# KiCad board Parallel.kicad_pcb (continued)
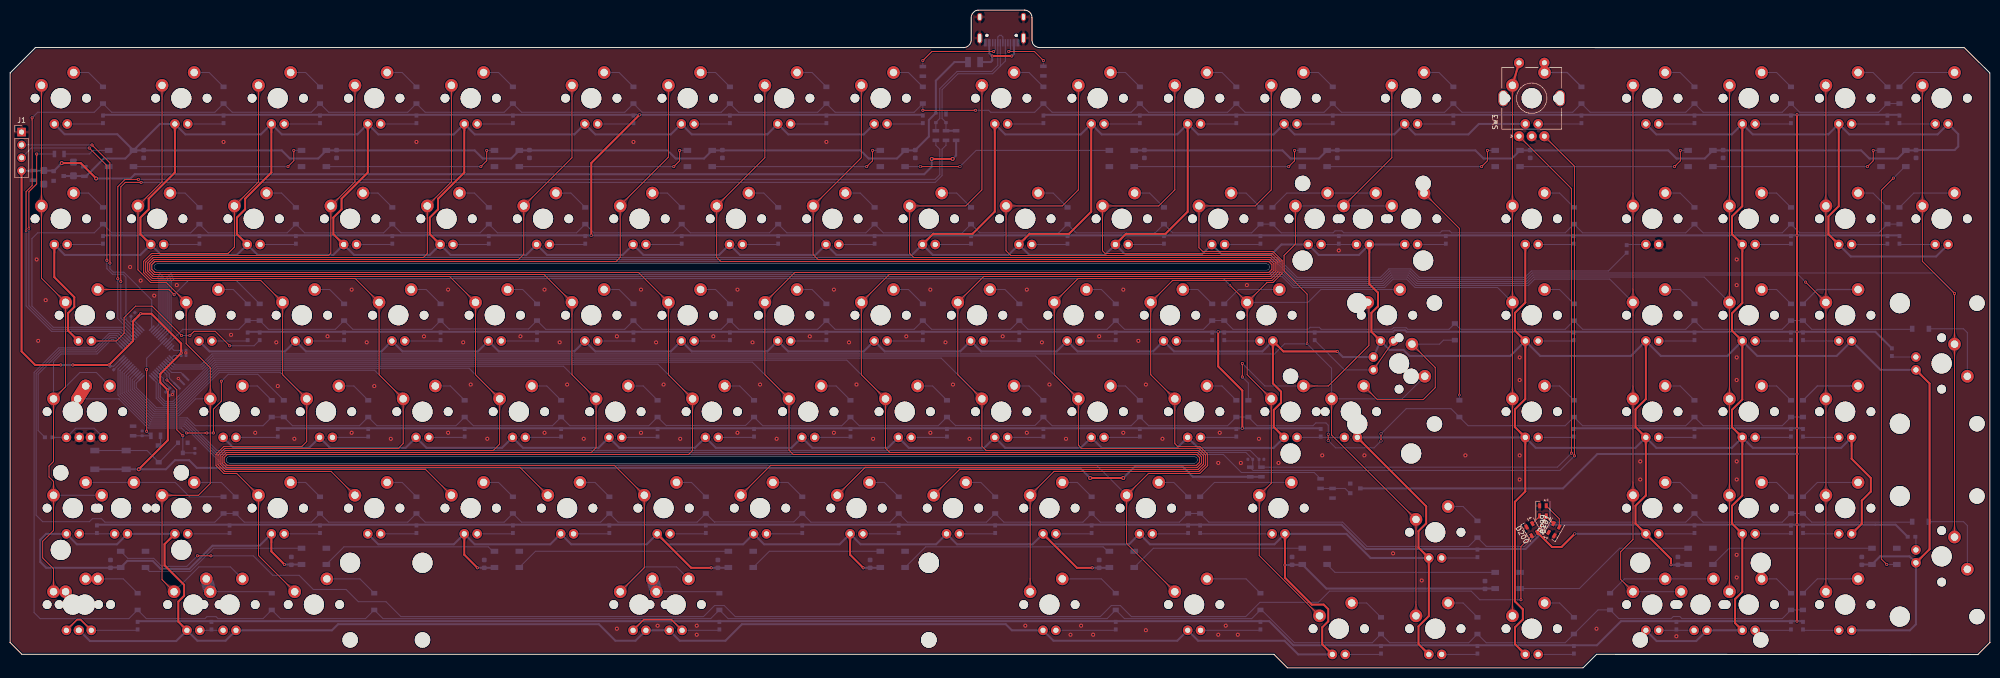
[diagram p0: board, top side]
## Copper pours and planes (outline as drawn; the poured copper is in the pictures) (continued)
Col16 on Top: 339.67,50.37 339.67,50.44 339.67,50.51 339.67,50.59 339.68,50.66 339.69,50.73 339.7,50.8 339.71,50.87 339.72,50.94 339.74,51.01 339.75,51.07 339.77,51.14 339.79,51.21 339.81,51.27 339.83,51.34 339.86,51.4 339.89,51.46 339.91,51.52 339.94,51.58 339.98,51.64 340.01,51.7 340.05,51.76 340.08,51.82 340.12,51.87 340.16,51.93 340.2,51.99 340.25,52.04 340.29,52.09 340.34,52.15 340.39,52.2 340.44,52.25 339.57,53.77 338.69,52.25 338.74,52.2 338.79,52.15 338.84,52.09 338.88,52.04 338.93,51.99 338.97,51.93 339.01,51.87 339.05,51.82 339.09,51.76 339.12,51.7 339.15,51.64 339.19,51.58 339.22,51.52 339.25,51.46 339.27,51.4 339.3,51.34 339.32,51.27 339.34,51.21 339.36,51.14 339.38,51.07 339.4,51.01 339.41,50.94 339.42,50.87 339.43,50.8 339.44,50.73 339.45,50.66 339.46,50.59 339.46,50.51 339.46,50.44 339.47,50.37
Col16 on Top: 339.47,36.87 339.46,36.79 339.46,36.72 339.46,36.65 339.45,36.57 339.44,36.5 339.43,36.43 339.42,36.36 339.41,36.29 339.4,36.23 339.38,36.16 339.36,36.09 339.34,36.03 339.32,35.96 339.3,35.9 339.27,35.84 339.25,35.77 339.22,35.71 339.19,35.65 339.15,35.59 339.12,35.53 339.09,35.47 339.05,35.42 339.01,35.36 338.97,35.3 338.93,35.25 338.88,35.19 338.84,35.14 338.79,35.09 338.74,35.04 338.69,34.98 339.57,33.47 340.44,34.98 340.39,35.04 340.34,35.09 340.29,35.14 340.25,35.19 340.2,35.25 340.16,35.3 340.12,35.36 340.08,35.42 340.05,35.47 340.01,35.53 339.98,35.59 339.94,35.65 339.91,35.71 339.89,35.77 339.86,35.84 339.83,35.9 339.81,35.96 339.79,36.03 339.77,36.09 339.75,36.16 339.74,36.23 339.72,36.29 339.71,36.36 339.7,36.43 339.69,36.5 339.68,36.57 339.67,36.65 339.67,36.72 339.67,36.79 339.67,36.87
Col16 on Top: 339.67,69.41 339.67,69.49 339.67,69.56 339.67,69.64 339.68,69.71 339.69,69.78 339.7,69.85 339.71,69.92 339.72,69.99 339.73,70.06 339.75,70.12 339.77,70.19 339.79,70.26 339.81,70.32 339.83,70.39 339.86,70.45 339.89,70.51 339.91,70.57 339.94,70.63 339.98,70.69 340.01,70.75 340.04,70.81 340.08,70.87 340.12,70.92 340.16,70.98 340.2,71.04 340.25,71.09 340.29,71.14 340.34,71.2 340.39,71.25 340.44,71.3 339.56,72.82 338.69,71.3 338.74,71.25 338.79,71.2 338.84,71.14 338.88,71.09 338.93,71.04 338.97,70.98 339.01,70.92 339.05,70.87 339.09,70.81 339.12,70.75 339.15,70.69 339.19,70.63 339.22,70.57 339.24,70.51 339.27,70.45 339.3,70.39 339.32,70.32 339.34,70.26 339.36,70.19 339.38,70.12 339.4,70.06 339.41,69.99 339.42,69.92 339.43,69.85 339.44,69.78 339.45,69.71 339.46,69.64 339.46,69.56 339.46,69.49 339.47,69.41
Col16 on Top: 339.47,55.92 339.46,55.84 339.46,55.77 339.46,55.7 339.45,55.62 339.44,55.55 339.43,55.48 339.42,55.41 339.41,55.34 339.4,55.28 339.38,55.21 339.36,55.14 339.34,55.08 339.32,55.01 339.3,54.95 339.27,54.89 339.25,54.82 339.22,54.76 339.19,54.7 339.15,54.64 339.12,54.58 339.09,54.52 339.05,54.47 339.01,54.41 338.97,54.35 338.93,54.3 338.88,54.24 338.84,54.19 338.79,54.14 338.74,54.09 338.69,54.03 339.57,52.52 340.44,54.03 340.39,54.09 340.34,54.14 340.29,54.19 340.25,54.24 340.2,54.3 340.16,54.35 340.12,54.41 340.08,54.47 340.05,54.52 340.01,54.58 339.98,54.64 339.94,54.7 339.91,54.76 339.89,54.82 339.86,54.89 339.83,54.95 339.81,55.01 339.79,55.08 339.77,55.14 339.75,55.21 339.74,55.28 339.72,55.34 339.71,55.41 339.7,55.48 339.69,55.55 339.68,55.62 339.67,55.7 339.67,55.77 339.67,55.84 339.67,55.92
Col16 on Top: 339.66,88.47 339.67,88.54 339.67,88.61 339.67,88.69 339.68,88.76 339.69,88.83 339.7,88.9 339.71,88.97 339.72,89.04 339.73,89.11 339.75,89.17 339.77,89.24 339.79,89.31 339.81,89.37 339.83,89.44 339.86,89.5 339.89,89.56 339.91,89.62 339.94,89.68 339.98,89.74 340.01,89.8 340.04,89.86 340.08,89.92 340.12,89.97 340.16,90.03 340.2,90.09 340.25,90.14 340.29,90.19 340.34,90.25 340.39,90.3 340.44,90.35 339.56,91.87 338.69,90.35 338.74,90.3 338.79,90.25 338.84,90.19 338.88,90.14 338.93,90.09 338.97,90.03 339.01,89.97 339.05,89.92 339.08,89.86 339.12,89.8 339.15,89.74 339.19,89.68 339.22,89.62 339.24,89.56 339.27,89.5 339.3,89.44 339.32,89.37 339.34,89.31 339.36,89.24 339.38,89.17 339.39,89.11 339.41,89.04 339.42,88.97 339.43,88.9 339.44,88.83 339.45,88.76 339.46,88.69 339.46,88.61 339.46,88.54 339.46,88.47
Col16 on Top: 339.46,74.97 339.46,74.89 339.46,74.82 339.46,74.75 339.45,74.67 339.44,74.6 339.43,74.53 339.42,74.46 339.41,74.39 339.39,74.33 339.38,74.26 339.36,74.19 339.34,74.13 339.32,74.06 339.3,74 339.27,73.94 339.24,73.87 339.22,73.81 339.19,73.75 339.15,73.69 339.12,73.63 339.08,73.57 339.05,73.52 339.01,73.46 338.97,73.4 338.93,73.35 338.88,73.29 338.84,73.24 338.79,73.19 338.74,73.14 338.69,73.08 339.56,71.57 340.44,73.08 340.39,73.14 340.34,73.19 340.29,73.24 340.25,73.29 340.2,73.35 340.16,73.4 340.12,73.46 340.08,73.52 340.04,73.57 340.01,73.63 339.98,73.69 339.94,73.75 339.91,73.81 339.89,73.87 339.86,73.94 339.83,74 339.81,74.06 339.79,74.13 339.77,74.19 339.75,74.26 339.73,74.33 339.72,74.39 339.71,74.46 339.7,74.53 339.69,74.6 339.68,74.67 339.67,74.75 339.67,74.82 339.67,74.89 339.66,74.97
Col16 on Top: 339.66,112.28 339.67,112.35 339.67,112.43 339.67,112.5 339.68,112.57 339.69,112.64 339.7,112.71 339.71,112.78 339.72,112.85 339.73,112.92 339.75,112.99 339.77,113.05 339.79,113.12 339.81,113.18 339.83,113.25 339.86,113.31 339.89,113.37 339.91,113.43 339.94,113.5 339.98,113.56 340.01,113.61 340.04,113.67 340.08,113.73 340.12,113.79 340.16,113.84 340.2,113.9 340.25,113.95 340.29,114.01 340.34,114.06 340.39,114.11 340.44,114.16 339.56,115.68 338.69,114.16 338.74,114.11 338.79,114.06 338.84,114.01 338.88,113.95 338.93,113.9 338.97,113.84 339.01,113.79 339.05,113.73 339.08,113.67 339.12,113.61 339.15,113.56 339.19,113.5 339.22,113.43 339.24,113.37 339.27,113.31 339.3,113.25 339.32,113.18 339.34,113.12 339.36,113.05 339.38,112.99 339.39,112.92 339.41,112.85 339.42,112.78 339.43,112.71 339.44,112.64 339.45,112.57 339.46,112.5 339.46,112.43 339.46,112.35 339.46,112.28
Col16 on Top: 339.46,94.02 339.46,93.94 339.46,93.87 339.46,93.8 339.45,93.72 339.44,93.65 339.43,93.58 339.42,93.51 339.41,93.44 339.39,93.38 339.38,93.31 339.36,93.24 339.34,93.18 339.32,93.11 339.3,93.05 339.27,92.99 339.24,92.92 339.22,92.86 339.19,92.8 339.15,92.74 339.12,92.68 339.08,92.62 339.05,92.57 339.01,92.51 338.97,92.45 338.93,92.4 338.88,92.34 338.84,92.29 338.79,92.24 338.74,92.19 338.69,92.13 339.56,90.62 340.44,92.13 340.39,92.19 340.34,92.24 340.29,92.29 340.25,92.34 340.2,92.4 340.16,92.45 340.12,92.51 340.08,92.57 340.04,92.62 340.01,92.68 339.98,92.74 339.94,92.8 339.91,92.86 339.89,92.92 339.86,92.99 339.83,93.05 339.81,93.11 339.79,93.18 339.77,93.24 339.75,93.31 339.73,93.38 339.72,93.44 339.71,93.51 339.7,93.58 339.69,93.65 339.68,93.72 339.67,93.8 339.67,93.87 339.67,93.94 339.66,94.02
Col16 on Bottom: 337.53,74.08 337.58,74.03 337.63,73.98 337.68,73.92 337.73,73.87 337.77,73.81 337.82,73.75 337.86,73.7 337.9,73.64 337.94,73.58 337.97,73.52 338.01,73.46 338.04,73.4 338.07,73.34 338.1,73.28 338.12,73.22 338.15,73.15 338.17,73.09 338.19,73.03 338.21,72.96 338.23,72.9 338.25,72.83 338.26,72.76 338.28,72.69 338.29,72.63 338.3,72.56 338.3,72.49 338.31,72.42 338.31,72.35 338.31,72.28 338.31,72.2 340.01,71.75 339.55,73.44 339.48,73.44 339.41,73.44 339.34,73.45 339.27,73.45 339.2,73.46 339.13,73.47 339.06,73.48 338.99,73.49 338.93,73.51 338.86,73.52 338.8,73.54 338.73,73.56 338.67,73.58 338.6,73.61 338.54,73.63 338.48,73.66 338.42,73.69 338.35,73.72 338.29,73.75 338.23,73.79 338.18,73.82 338.12,73.86 338.06,73.9 338,73.94 337.95,73.98 337.89,74.03 337.83,74.07 337.78,74.12 337.73,74.17 337.67,74.23
Col17 on Top: 358.52,17.82 358.51,17.74 358.51,17.67 358.51,17.6 358.5,17.52 358.49,17.45 358.48,17.38 358.47,17.31 358.46,17.24 358.45,17.18 358.43,17.11 358.41,17.04 358.39,16.98 358.37,16.91 358.35,16.85 358.32,16.79 358.3,16.72 358.27,16.66 358.24,16.6 358.2,16.54 358.17,16.48 358.14,16.42 358.1,16.37 358.06,16.31 358.02,16.25 357.98,16.2 357.93,16.14 357.89,16.09 357.84,16.04 357.79,15.99 357.74,15.93 358.62,14.42 359.49,15.93 359.44,15.99 359.39,16.04 359.34,16.09 359.3,16.14 359.25,16.2 359.21,16.25 359.17,16.31 359.13,16.37 359.1,16.42 359.06,16.48 359.03,16.54 358.99,16.6 358.96,16.66 358.94,16.72 358.91,16.79 358.88,16.85 358.86,16.91 358.84,16.98 358.82,17.04 358.8,17.11 358.79,17.18 358.77,17.24 358.76,17.31 358.75,17.38 358.74,17.45 358.73,17.52 358.72,17.6 358.72,17.67 358.72,17.74 358.72,17.82
Col17 on Top: 358.72,31.32 358.72,31.39 358.72,31.46 358.72,31.54 358.73,31.61 358.74,31.68 358.75,31.75 358.76,31.82 358.77,31.89 358.79,31.96 358.8,32.02 358.82,32.09 358.84,32.16 358.86,32.22 358.88,32.29 358.91,32.35 358.94,32.41 358.96,32.47 358.99,32.53 359.03,32.59 359.06,32.65 359.1,32.71 359.13,32.77 359.17,32.82 359.21,32.88 359.25,32.94 359.3,32.99 359.34,33.04 359.39,33.1 359.44,33.15 359.49,33.2 358.62,34.72 357.74,33.2 357.79,33.15 357.84,33.1 357.89,33.04 357.93,32.99 357.98,32.94 358.02,32.88 358.06,32.82 358.1,32.77 358.14,32.71 358.17,32.65 358.2,32.59 358.24,32.53 358.27,32.47 358.3,32.41 358.32,32.35 358.35,32.29 358.37,32.22 358.39,32.16 358.41,32.09 358.43,32.02 358.45,31.96 358.46,31.89 358.47,31.82 358.48,31.75 358.49,31.68 358.5,31.61 358.51,31.54 358.51,31.46 358.51,31.39 358.52,31.32
Col17 on Top: 356.58,74.08 356.63,74.03 356.68,73.98 356.73,73.92 356.78,73.87 356.82,73.81 356.87,73.75 356.91,73.7 356.95,73.64 356.99,73.58 357.02,73.52 357.06,73.46 357.09,73.4 357.12,73.34 357.15,73.28 357.17,73.22 357.2,73.15 357.22,73.09 357.24,73.03 357.26,72.96 357.28,72.9 357.3,72.83 357.31,72.76 357.33,72.69 357.34,72.63 357.35,72.56 357.35,72.49 357.36,72.42 357.36,72.35 357.36,72.28 357.36,72.2 359.06,71.75 358.6,73.44 358.53,73.44 358.46,73.44 358.39,73.45 358.32,73.45 358.25,73.46 358.18,73.47 358.11,73.48 358.04,73.49 357.98,73.51 357.91,73.52 357.85,73.54 357.78,73.56 357.72,73.58 357.65,73.61 357.59,73.63 357.53,73.66 357.47,73.69 357.4,73.72 357.34,73.75 357.28,73.79 357.23,73.82 357.17,73.86 357.11,73.9 357.05,73.94 357,73.98 356.94,74.03 356.88,74.07 356.83,74.12 356.78,74.17 356.72,74.23
Col17 on Top: 358.72,50.37 358.72,50.44 358.72,50.51 358.72,50.59 358.73,50.66 358.74,50.73 358.75,50.8 358.76,50.87 358.77,50.94 358.79,51.01 358.8,51.07 358.82,51.14 358.84,51.21 358.86,51.27 358.88,51.34 358.91,51.4 358.94,51.46 358.96,51.52 358.99,51.58 359.03,51.64 359.06,51.7 359.1,51.76 359.13,51.82 359.17,51.87 359.21,51.93 359.25,51.99 359.3,52.04 359.34,52.09 359.39,52.15 359.44,52.2 359.49,52.25 358.62,53.77 357.74,52.25 357.79,52.2 357.84,52.15 357.89,52.09 357.93,52.04 357.98,51.99 358.02,51.93 358.06,51.87 358.1,51.82 358.14,51.76 358.17,51.7 358.2,51.64 358.24,51.58 358.27,51.52 358.3,51.46 358.32,51.4 358.35,51.34 358.37,51.27 358.39,51.21 358.41,51.14 358.43,51.07 358.45,51.01 358.46,50.94 358.47,50.87 358.48,50.8 358.49,50.73 358.5,50.66 358.51,50.59 358.51,50.51 358.51,50.44 358.52,50.37
Col17 on Top: 358.52,36.87 358.51,36.79 358.51,36.72 358.51,36.65 358.5,36.57 358.49,36.5 358.48,36.43 358.47,36.36 358.46,36.29 358.45,36.23 358.43,36.16 358.41,36.09 358.39,36.03 358.37,35.96 358.35,35.9 358.32,35.84 358.3,35.77 358.27,35.71 358.24,35.65 358.2,35.59 358.17,35.53 358.14,35.47 358.1,35.42 358.06,35.36 358.02,35.3 357.98,35.25 357.93,35.19 357.89,35.14 357.84,35.09 357.79,35.04 357.74,34.98 358.62,33.47 359.49,34.98 359.44,35.04 359.39,35.09 359.34,35.14 359.3,35.19 359.25,35.25 359.21,35.3 359.17,35.36 359.13,35.42 359.1,35.47 359.06,35.53 359.03,35.59 358.99,35.65 358.96,35.71 358.94,35.77 358.91,35.84 358.88,35.9 358.86,35.96 358.84,36.03 358.82,36.09 358.8,36.16 358.79,36.23 358.77,36.29 358.76,36.36 358.75,36.43 358.74,36.5 358.73,36.57 358.72,36.65 358.72,36.72 358.72,36.79 358.72,36.87
Col17 on Top: 358.71,69.42 358.72,69.49 358.72,69.56 358.72,69.64 358.73,69.71 358.74,69.78 358.75,69.85 358.76,69.92 358.77,69.99 358.78,70.06 358.8,70.12 358.82,70.19 358.84,70.26 358.86,70.32 358.88,70.39 358.91,70.45 358.94,70.51 358.96,70.57 358.99,70.63 359.03,70.69 359.06,70.75 359.09,70.81 359.13,70.87 359.17,70.92 359.21,70.98 359.25,71.04 359.3,71.09 359.34,71.14 359.39,71.2 359.44,71.25 359.49,71.3 358.61,72.82 357.74,71.3 357.79,71.25 357.84,71.2 357.89,71.14 357.93,71.09 357.98,71.04 358.02,70.98 358.06,70.92 358.1,70.87 358.13,70.81 358.17,70.75 358.2,70.69 358.24,70.63 358.27,70.57 358.29,70.51 358.32,70.45 358.35,70.39 358.37,70.32 358.39,70.26 358.41,70.19 358.43,70.12 358.44,70.06 358.46,69.99 358.47,69.92 358.48,69.85 358.49,69.78 358.5,69.71 358.51,69.64 358.51,69.56 358.51,69.49 358.51,69.42
Col17 on Top: 358.51,55.92 358.51,55.84 358.51,55.77 358.51,55.7 358.5,55.63 358.49,55.55 358.48,55.48 358.47,55.41 358.46,55.34 358.45,55.28 358.43,55.21 358.41,55.14 358.39,55.08 358.37,55.01 358.35,54.95 358.32,54.89 358.3,54.82 358.27,54.76 358.24,54.7 358.2,54.64 358.17,54.58 358.14,54.52 358.1,54.47 358.06,54.41 358.02,54.35 357.98,54.3 357.93,54.24 357.89,54.19 357.84,54.14 357.79,54.09 357.74,54.03 358.62,52.52 359.49,54.03 359.44,54.09 359.39,54.14 359.34,54.19 359.3,54.24 359.25,54.3 359.21,54.35 359.17,54.41 359.13,54.47 359.1,54.52 359.06,54.58 359.03,54.64 358.99,54.7 358.96,54.76 358.94,54.82 358.91,54.89 358.88,54.95 358.86,55.01 358.84,55.08 358.82,55.14 358.8,55.21 358.78,55.28 358.77,55.34 358.76,55.41 358.75,55.48 358.74,55.55 358.73,55.63 358.72,55.7 358.72,55.77 358.72,55.84 358.71,55.92
Col17 on Top: 358.71,88.47 358.72,88.54 358.72,88.61 358.72,88.69 358.73,88.76 358.74,88.83 358.75,88.9 358.76,88.97 358.77,89.04 358.78,89.11 358.8,89.17 358.82,89.24 358.84,89.31 358.86,89.37 358.88,89.44 358.91,89.5 358.94,89.56 358.96,89.62 358.99,89.68 359.03,89.74 359.06,89.8 359.09,89.86 359.13,89.92 359.17,89.97 359.21,90.03 359.25,90.09 359.3,90.14 359.34,90.19 359.39,90.25 359.44,90.3 359.49,90.35 358.61,91.87 357.74,90.35 357.79,90.3 357.84,90.25 357.89,90.19 357.93,90.14 357.98,90.09 358.02,90.03 358.06,89.97 358.1,89.92 358.13,89.86 358.17,89.8 358.2,89.74 358.24,89.68 358.27,89.62 358.29,89.56 358.32,89.5 358.35,89.44 358.37,89.37 358.39,89.31 358.41,89.24 358.43,89.17 358.44,89.11 358.46,89.04 358.47,88.97 358.48,88.9 358.49,88.83 358.5,88.76 358.51,88.69 358.51,88.61 358.51,88.54 358.51,88.47
Col17 on Top: 358.51,74.97 358.51,74.89 358.51,74.82 358.51,74.75 358.5,74.67 358.49,74.6 358.48,74.53 358.47,74.46 358.46,74.39 358.44,74.33 358.43,74.26 358.41,74.19 358.39,74.13 358.37,74.06 358.35,74 358.32,73.94 358.29,73.87 358.27,73.81 358.24,73.75 358.2,73.69 358.17,73.63 358.13,73.57 358.1,73.52 358.06,73.46 358.02,73.4 357.98,73.35 357.93,73.29 357.89,73.24 357.84,73.19 357.79,73.14 357.74,73.08 358.61,71.57 359.49,73.08 359.44,73.14 359.39,73.19 359.34,73.24 359.3,73.29 359.25,73.35 359.21,73.4 359.17,73.46 359.13,73.52 359.09,73.57 359.06,73.63 359.03,73.69 358.99,73.75 358.96,73.81 358.94,73.87 358.91,73.94 358.88,74 358.86,74.06 358.84,74.13 358.82,74.19 358.8,74.26 358.78,74.33 358.77,74.39 358.76,74.46 358.75,74.53 358.74,74.6 358.73,74.67 358.72,74.75 358.72,74.82 358.72,74.89 358.71,74.97
Col17 on Top: 358.71,112.28 358.72,112.35 358.72,112.43 358.72,112.5 358.73,112.57 358.74,112.64 358.75,112.71 358.76,112.78 358.77,112.85 358.78,112.92 358.8,112.99 358.82,113.05 358.84,113.12 358.86,113.18 358.88,113.25 358.91,113.31 358.94,113.37 358.96,113.43 358.99,113.5 359.03,113.56 359.06,113.61 359.09,113.67 359.13,113.73 359.17,113.79 359.21,113.84 359.25,113.9 359.3,113.95 359.34,114.01 359.39,114.06 359.44,114.11 359.49,114.16 358.61,115.68 357.74,114.16 357.79,114.11 357.84,114.06 357.89,114.01 357.93,113.95 357.98,113.9 358.02,113.84 358.06,113.79 358.1,113.73 358.13,113.67 358.17,113.61 358.2,113.56 358.24,113.5 358.27,113.43 358.29,113.37 358.32,113.31 358.35,113.25 358.37,113.18 358.39,113.12 358.41,113.05 358.43,112.99 358.44,112.92 358.46,112.85 358.47,112.78 358.48,112.71 358.49,112.64 358.5,112.57 358.51,112.5 358.51,112.43 358.51,112.35 358.51,112.28
Col17 on Top: 358.51,94.02 358.51,93.94 358.51,93.87 358.51,93.8 358.5,93.72 358.49,93.65 358.48,93.58 358.47,93.51 358.46,93.44 358.44,93.38 358.43,93.31 358.41,93.24 358.39,93.18 358.37,93.11 358.35,93.05 358.32,92.99 358.29,92.92 358.27,92.86 358.24,92.8 358.2,92.74 358.17,92.68 358.13,92.62 358.1,92.57 358.06,92.51 358.02,92.45 357.98,92.4 357.93,92.34 357.89,92.29 357.84,92.24 357.79,92.19 357.74,92.13 358.61,90.62 359.49,92.13 359.44,92.19 359.39,92.24 359.34,92.29 359.3,92.34 359.25,92.4 359.21,92.45 359.17,92.51 359.13,92.57 359.09,92.62 359.06,92.68 359.03,92.74 358.99,92.8 358.96,92.86 358.94,92.92 358.91,92.99 358.88,93.05 358.86,93.11 358.84,93.18 358.82,93.24 358.8,93.31 358.78,93.38 358.77,93.44 358.76,93.51 358.75,93.58 358.74,93.65 358.73,93.72 358.72,93.8 358.72,93.87 358.72,93.94 358.71,94.02
Col18 on Top: 384.12,61.16 384.12,61.23 384.12,61.31 384.12,61.38 384.13,61.45 384.14,61.52 384.15,61.6 384.16,61.67 384.17,61.73 384.19,61.8 384.2,61.87 384.22,61.94 384.24,62 384.26,62.07 384.28,62.13 384.31,62.19 384.34,62.26 384.36,62.32 384.39,62.38 384.43,62.44 384.46,62.5 384.5,62.56 384.53,62.61 384.57,62.67 384.61,62.73 384.65,62.78 384.7,62.83 384.74,62.89 384.79,62.94 384.84,62.99 384.89,63.04 384.02,64.56 383.14,63.04 383.19,62.99 383.24,62.94 383.29,62.89 383.33,62.83 383.38,62.78 383.42,62.73 383.46,62.67 383.5,62.61 383.54,62.56 383.57,62.5 383.6,62.44 383.64,62.38 383.67,62.32 383.7,62.26 383.72,62.19 383.75,62.13 383.77,62.07 383.79,62 383.81,61.94 383.83,61.87 383.85,61.8 383.86,61.73 383.87,61.67 383.88,61.6 383.89,61.52 383.9,61.45 383.91,61.38 383.91,61.31 383.91,61.23 383.92,61.16
Col18 on Top: 383.92,28.61 383.91,28.54 383.91,28.46 383.91,28.39 383.9,28.32 383.89,28.25 383.88,28.18 383.87,28.11 383.86,28.04 383.85,27.97 383.83,27.9 383.81,27.84 383.79,27.77 383.77,27.71 383.75,27.64 383.72,27.58 383.7,27.52 383.67,27.46 383.64,27.4 383.6,27.34 383.57,27.28 383.54,27.22 383.5,27.16 383.46,27.1 383.42,27.05 383.38,26.99 383.33,26.94 383.29,26.88 383.24,26.83 383.19,26.78 383.14,26.73 384.02,25.21 384.89,26.73 384.84,26.78 384.79,26.83 384.74,26.88 384.7,26.94 384.65,26.99 384.61,27.05 384.57,27.1 384.53,27.16 384.5,27.22 384.46,27.28 384.43,27.34 384.39,27.4 384.36,27.46 384.34,27.52 384.31,27.58 384.28,27.64 384.26,27.71 384.24,27.77 384.22,27.84 384.2,27.9 384.19,27.97 384.17,28.04 384.16,28.11 384.15,28.18 384.14,28.25 384.13,28.32 384.12,28.39 384.12,28.46 384.12,28.54 384.12,28.61
Col18 on Top: 383.92,66.71 383.91,66.64 383.91,66.56 383.91,66.49 383.9,66.42 383.89,66.35 383.88,66.28 383.87,66.21 383.86,66.14 383.85,66.07 383.83,66 383.81,65.94 383.79,65.87 383.77,65.81 383.75,65.74 383.72,65.68 383.7,65.62 383.67,65.56 383.64,65.5 383.6,65.44 383.57,65.38 383.54,65.32 383.5,65.26 383.46,65.2 383.42,65.15 383.38,65.09 383.33,65.04 383.29,64.98 383.24,64.93 383.19,64.88 383.14,64.83 384.02,63.31 384.89,64.83 384.84,64.88 384.79,64.93 384.74,64.98 384.7,65.04 384.65,65.09 384.61,65.15 384.57,65.2 384.53,65.26 384.5,65.32 384.46,65.38 384.43,65.44 384.39,65.5 384.36,65.56 384.34,65.62 384.31,65.68 384.28,65.74 384.26,65.81 384.24,65.87 384.22,65.94 384.2,66 384.19,66.07 384.17,66.14 384.16,66.21 384.15,66.28 384.14,66.35 384.13,66.42 384.12,66.49 384.12,66.56 384.12,66.64 384.12,66.71
Col18 on Top: 377.76,88.47 377.77,88.54 377.77,88.61 377.77,88.69 377.78,88.76 377.79,88.83 377.8,88.9 377.81,88.97 377.82,89.04 377.83,89.11 377.85,89.17 377.87,89.24 377.89,89.31 377.91,89.37 377.93,89.44 377.96,89.5 377.99,89.56 378.01,89.62 378.04,89.68 378.08,89.74 378.11,89.8 378.14,89.86 378.18,89.92 378.22,89.97 378.26,90.03 378.3,90.09 378.35,90.14 378.39,90.19 378.44,90.25 378.49,90.3 378.54,90.35 377.66,91.87 376.79,90.35 376.84,90.3 376.89,90.25 376.94,90.19 376.98,90.14 377.03,90.09 377.07,90.03 377.11,89.97 377.15,89.92 377.19,89.86 377.22,89.8 377.25,89.74 377.29,89.68 377.32,89.62 377.34,89.56 377.37,89.5 377.4,89.44 377.42,89.37 377.44,89.31 377.46,89.24 377.48,89.17 377.5,89.11 377.51,89.04 377.52,88.97 377.53,88.9 377.54,88.83 377.55,88.76 377.56,88.69 377.56,88.61 377.56,88.54 377.56,88.47
Col18 on Top: 377.76,112.28 377.77,112.35 377.77,112.43 377.77,112.5 377.78,112.57 377.79,112.64 377.8,112.71 377.81,112.78 377.82,112.85 377.83,112.92 377.85,112.99 377.87,113.05 377.89,113.12 377.91,113.18 377.93,113.25 377.96,113.31 377.99,113.37 378.01,113.43 378.04,113.5 378.08,113.56 378.11,113.61 378.14,113.67 378.18,113.73 378.22,113.79 378.26,113.84 378.3,113.9 378.35,113.95 378.39,114.01 378.44,114.06 378.49,114.11 378.54,114.16 377.66,115.68 376.79,114.16 376.84,114.11 376.89,114.06 376.94,114.01 376.98,113.95 377.03,113.9 377.07,113.84 377.11,113.79 377.15,113.73 377.19,113.67 377.22,113.61 377.25,113.56 377.29,113.5 377.32,113.43 377.34,113.37 377.37,113.31 377.4,113.25 377.42,113.18 377.44,113.12 377.46,113.05 377.48,112.99 377.5,112.92 377.51,112.85 377.52,112.78 377.53,112.71 377.54,112.64 377.55,112.57 377.56,112.5 377.56,112.43 377.56,112.35 377.56,112.28
Col18 on Top: 377.56,94.02 377.56,93.94 377.56,93.87 377.56,93.8 377.55,93.72 377.54,93.65 377.53,93.58 377.52,93.51 377.51,93.44 377.5,93.38 377.48,93.31 377.46,93.24 377.44,93.18 377.42,93.11 377.4,93.05 377.37,92.99 377.34,92.92 377.32,92.86 377.29,92.8 377.25,92.74 377.22,92.68 377.19,92.62 377.15,92.57 377.11,92.51 377.07,92.45 377.03,92.4 376.98,92.34 376.94,92.29 376.89,92.24 376.84,92.19 376.79,92.13 377.66,90.62 378.54,92.13 378.49,92.19 378.44,92.24 378.39,92.29 378.35,92.34 378.3,92.4 378.26,92.45 378.22,92.51 378.18,92.57 378.14,92.62 378.11,92.68 378.08,92.74 378.04,92.8 378.01,92.86 377.99,92.92 377.96,92.99 377.93,93.05 377.91,93.11 377.89,93.18 377.87,93.24 377.85,93.31 377.83,93.38 377.82,93.44 377.81,93.51 377.8,93.58 377.79,93.65 377.78,93.72 377.77,93.8 377.77,93.87 377.77,93.94 377.76,94.02
EC-A on Top: 299.62,103.55 299.01,105 297.66,105.37 298.02,104.01 299.48,103.41
EC-B on Top: 304.62,103.55 304.01,105 302.66,105.37 303.02,104.01 304.48,103.41
S1 on Bottom: 305.77,117.72 305.7,117.72 305.62,117.72 305.55,117.73 305.48,117.73 305.42,117.74 305.35,117.75 305.28,117.76 305.21,117.77 305.15,117.79 305.08,117.8 305.02,117.82 304.95,117.84 304.89,117.86 304.83,117.88 304.77,117.91 304.71,117.93 304.65,117.96 304.59,117.99 304.53,118.02 304.47,118.05 304.42,118.09 304.36,118.12 304.31,118.16 304.25,118.2 304.2,118.24 304.15,118.28 304.1,118.33 304.04,118.37 303.99,118.42 303.94,118.47 302.43,117.59 303.94,116.72 303.99,116.77 304.04,116.82 304.1,116.86 304.15,116.91 304.2,116.95 304.25,116.99 304.31,117.03 304.36,117.07 304.42,117.1 304.47,117.14 304.53,117.17 304.59,117.2 304.65,117.23 304.71,117.26 304.77,117.28 304.83,117.31 304.89,117.33 304.95,117.35 305.02,117.37 305.08,117.39 305.15,117.4 305.21,117.42 305.28,117.43 305.35,117.44 305.42,117.45 305.48,117.46 305.55,117.46 305.62,117.47 305.7,117.47 305.77,117.47
SWCLK on Bottom: 4.07,103.39 2.87,103.88 1.84,103.29 2.87,102.69 4.07,103.19